# Altium PCB F103ZET6.PcbDoc (part 2 of 3)
Units mil, origin at the board's own origin, x right, y up, seen from the top; angles counter-clockwise.
Board outline 4625 x 2435 mil, 2 copper layers (Top Layer, Bottom Layer); 135 components, 144 nets, 623 pads, 269 vias.
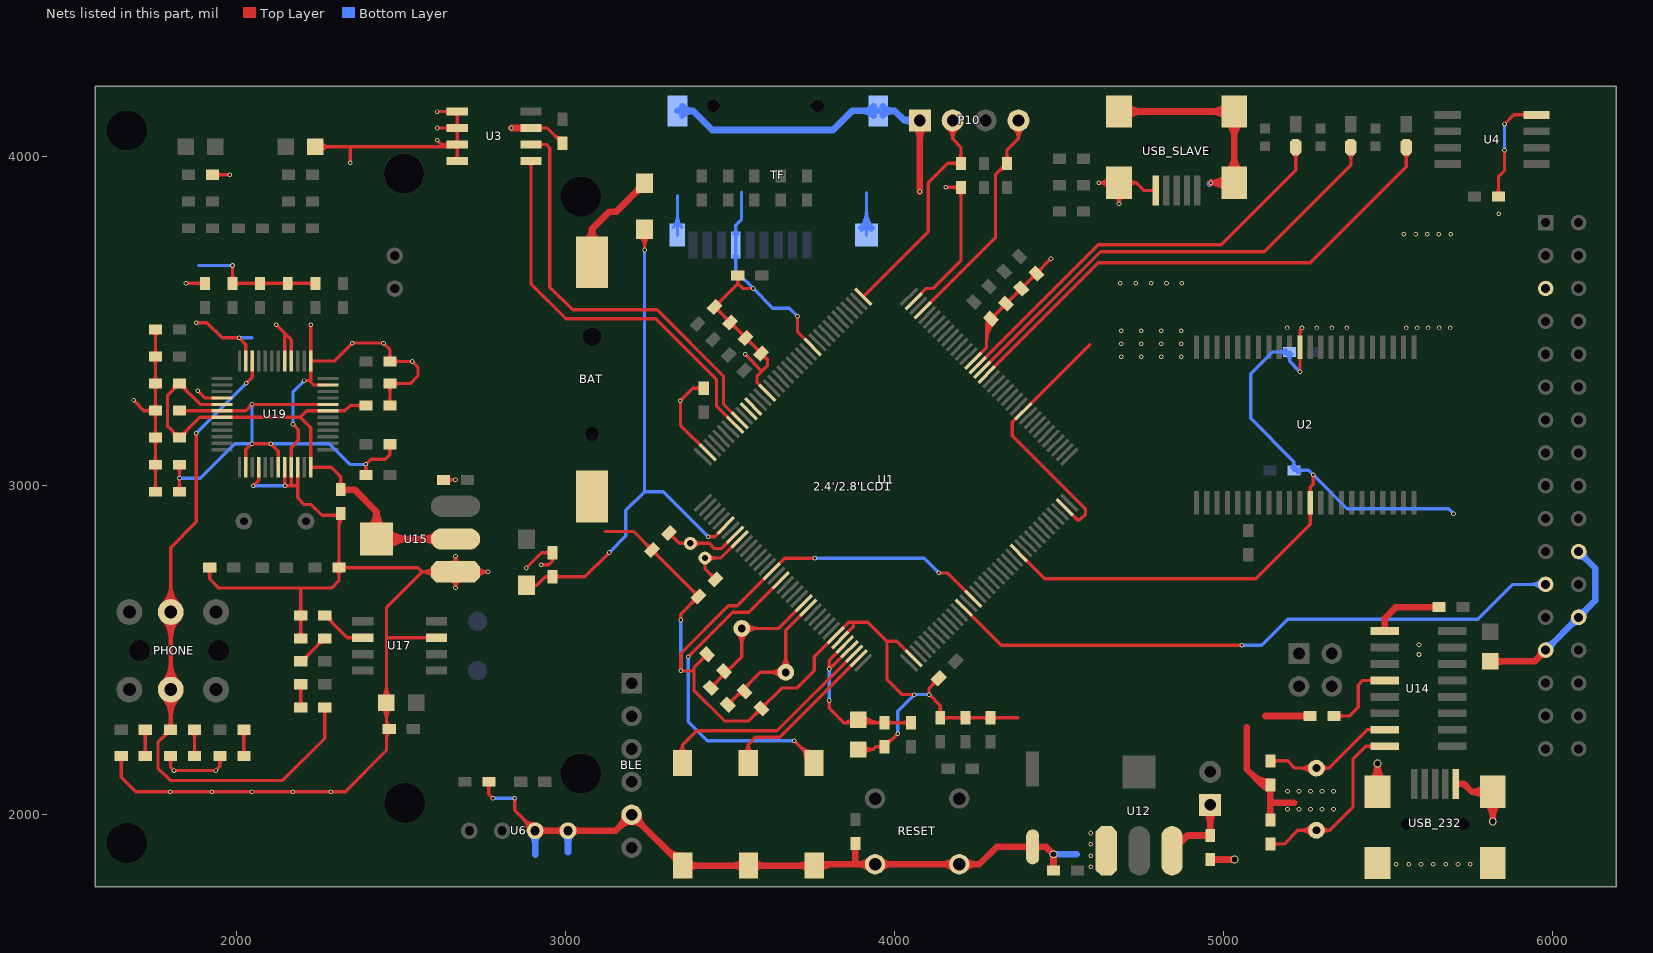
[diagram p2: the nets of this part, all layers, seen from the top]

## Via types
v1: diameter 14, hole 8, Top Layer to Bottom Layer, 262 vias
v2: diameter 24, hole 18, Top Layer to Bottom Layer, 5 vias
v3: diameter 132, hole 122.05, Top Layer to Bottom Layer, 2 vias

## Nets (pads, with @x,y where several pads share a name; then routed paths per layer and width w, separated by ;. In a path a pad name is that pad's centre, name@x,y a point inside that pad or via, vN(x,y) a via of type N, cw(c..) or ccw(c..) an arc to the next point about the centre after c; other vN are vias at no path point) (continued)
GND: 2.4'/2.8'LCD1.22 2.4'/2.8'LCD1.26 2.4'/2.8'LCD1.27 BAT.2 BLE.5 C1.1 C2.1 C3.1 C4.2 C5.1 C6.1 C7.1 C8.1 C9.1 C10.1 C11.1 C12.1 C13.1 C14.1 C15.1 C16.1 C17.1 C18.1 C19.1 C20.1 C21.1 C29.2 C31.2 C35.1 C36.1 C42.1 C43.1 C44.2 C45.1 C50.2 C51.2 C54.2 C55.1 C56.1 C57.2 C60.1 C61.1 C62.1 C65.1 C66.1 C67.1 C72.1 C74.1 C75.1 C76.1 C77.2 C78.2 C79.2 C80.1 C87.1 C88.1 C89.1 C91.1 C92.1 C93.1 C94.2 C103.1 C104.1 KEY0.2 KEY1.2 KEY2.2 P10.1 R11.2 R12.2 R13.2 R53.1 R70.1 R76.2 RESET.2 TF.6 TF.10 TF.11 TF.12 TF.13 U1.16 U1.30 U1.31 U1.38 U1.51 U1.61 U1.71 U1.83 U1.94 U1.107 U1.120 U1.130 U1.143 U2.12 U2.34 U3.1 U3.2 U3.3 U3.4 U3.7 U4.4 U6.3 U6.4 U12.1 U14.1 U15.1 U17.7 U19.4 U19.16 U19.20 U19.21 U19.22 U19.35 U19.37 U19.40 U19.41 U19.47 USB_232.5 USB_SLAVE.5 | length 31750.8
  Top Layer w10: C62.1@1641.43,2170.93 cw(c1624.36,2153.86) 1648.5,2153.86 cw(c1672.64,2153.86) C62.1@1655.57,2170.93 ; C62.1@1648.5,2178 1648.5,2113.5 1692,2070 v1(1798,2070) v1(1924,2070) v1(2046,2070) v1(2170,2070) v1(2286,2070) 2330,2070 2455,2195 C65.1@2455,2340 2455,2629.06 2563.97,2738.03 ; v1(1686,3260) 1717.5,3228.5 C76.1@1752.5,3228.5 ; C76.1@1740.43,3221.43 ccw(c1723.36,3204.36) 1723.36,3228.5 ccw(c1723.36,3252.64) C76.1@1740.43,3235.57 ; C75.1@1745.43,2989.07 ccw(c1728.36,3006.14) 1752.5,3006.14 ccw(c1776.64,3006.14) C75.1@1759.57,2989.07 ; C74.1@1745.43,3057.1 cw(c1728.36,3040.02) 1752.5,3040.02 cw(c1776.64,3040.02) C74.1@1759.57,3057.1 ; C74.1@1745.43,3071.24 ccw(c1728.36,3088.31) 1752.5,3088.31 ccw(c1776.64,3088.31) C74.1@1759.57,3071.24 ; C78.2@1745.43,3139.26 cw(c1728.36,3122.19) 1752.5,3122.19 cw(c1776.64,3122.19) C78.2@1759.57,3139.26 ; C78.2@1745.43,3153.4 ccw(c1728.36,3170.48) 1752.5,3170.48 ccw(c1776.64,3170.48) C78.2@1759.57,3153.4 ; C76.1@1745.43,3221.43 cw(c1728.36,3204.36) 1752.5,3204.36 cw(c1776.64,3204.36) C76.1@1759.57,3221.43 ; C76.1@1745.43,3235.57 ccw(c1728.36,3252.64) 1752.5,3252.64 ccw(c1776.64,3252.64) C76.1@1759.57,3235.57 ; C77.2@1745.43,3303.6 cw(c1728.36,3286.52) 1752.5,3286.52 cw(c1776.64,3286.52) C77.2@1759.57,3303.6 ; C77.2@1745.43,3317.74 ccw(c1728.36,3334.81) 1752.5,3334.81 ccw(c1776.64,3334.81) C77.2@1759.57,3317.74 ; C104.1@1745.43,3385.76 cw(c1728.36,3368.69) 1752.5,3368.69 cw(c1776.64,3368.69) C104.1@1759.57,3385.76 ; C104.1@1745.43,3399.9 ccw(c1728.36,3416.98) 1752.5,3416.98 ccw(c1776.64,3416.98) C104.1@1759.57,3399.9 ; C103.1@1745.43,3467.93 cw(c1728.36,3450.86) 1752.5,3450.86 cw(c1776.64,3450.86) C103.1@1759.57,3467.93 ; C75.1@1752.5,2982 C74.1@1752.5,3064.17 C78.2@1752.5,3146.33 C76.1@1752.5,3228.5 ; C103.1@1752.5,3475 C104.1@1752.5,3392.83 C77.2@1752.5,3310.67 C76.1@1752.5,3228.5 ; C60.1@1791.43,2170.93 cw(c1774.36,2153.86) 1798.5,2153.86 cw(c1822.64,2153.86) C60.1@1805.57,2170.93 ; C60.1@1798.5,2178 1798.5,2144.5 v1(1809,2134) v1(1936,2134) 1948.5,2146.5 C61.1@1948.5,2178 ; v1(1845.5,3615.5) C93.1@1903,3615.5 ; v1(1877,3496) 1909,3496 1955,3450 v1(2007,3450) 2027.58,3429.42 U19.47@2027.58,3379.33 ; v1(1881,3289) 1902.87,3267.13 U19.4@1954.74,3267.13 ; C93.1@1895.93,3608.43 ccw(c1878.86,3591.36) 1878.86,3615.5 ccw(c1878.86,3639.64) C93.1@1895.93,3622.57 ; C88.1@1910.43,2743.93 cw(c1893.36,2726.86) 1917.5,2726.86 cw(c1941.64,2726.86) C88.1@1924.57,2743.93 ; C88.1@1917.5,2751 1917.5,2716.5 1945,2689 2288,2689 2310.5,2711.5 C87.1@2310.5,2751 ; R76.2@1926.5,3946 v1(1978,3946) ; R76.2@1938.35,3938.4 cw(c1956.7,3920.05) 1956.7,3946 cw(c1956.7,3971.95) R76.2@1938.35,3953.6 ; C61.1@1941.43,2170.93 cw(c1924.36,2153.86) 1948.5,2153.86 cw(c1972.64,2153.86) C61.1@1955.57,2170.93 ; C94.2@1979.93,3627.57 ccw(c1962.86,3644.64) 1987,3644.64 ccw(c2011.14,3644.64) C94.2@1994.07,3627.57 ; v1(1987,3670) C94.2@1987,3615.5 C92.1@2071,3615.5 C91.1@2155,3615.5 C42.1@2239,3615.5 ; C94.2@1994.07,3608.43 cw(c2011.14,3591.36) 2011.14,3615.5 cw(c2011.14,3639.64) C94.2@1994.07,3622.57 ; v1(2050,3000) 2066.95,3016.95 U19.16@2066.95,3056.5 ; C92.1@2063.93,3608.43 ccw(c2046.86,3591.36) 2046.86,3615.5 ccw(c2046.86,3639.64) C92.1@2063.93,3622.57 ; C92.1@2078.07,3608.43 cw(c2095.14,3591.36) 2095.14,3615.5 cw(c2095.14,3639.64) C92.1@2078.07,3622.57 ; v1(2120,3490) 2145.69,3464.31 ; v1@2145.69,3000 U19.20@2145.69,3056.5 ; 2145.69,3008 ccw(c2155,3008) v1@2148.41,3001.41 ; U19.41@2145.69,3379.33 2145.69,3464.31 ; v1(2147,3000) 2165.37,3000 ; C91.1@2147.93,3608.43 ccw(c2130.86,3591.36) 2130.86,3615.5 ccw(c2130.86,3639.64) C91.1@2147.93,3622.57 ; C91.1@2162.07,3608.43 cw(c2179.14,3591.36) 2179.14,3615.5 cw(c2179.14,3639.64) C91.1@2162.07,3622.57 ; U19.40@2165.37,3379.33 2165.37,3444.63 2145.69,3464.31 ; v1(2171,3187) 2187,3171 2187,3138 2165.37,3116.37 U19.21@2165.37,3056.5 2165.37,3000 ; 2180,3000 2165.37,3000 ; 2185,2995 2185,2963 2205,2943 2226,2943 2259,2910 2310.5,2910 C87.1@2310.5,2751 ; 2185.06,2994.94 U19.22@2185.06,3056.5 ; C72.1@2187.43,2543.07 ccw(c2170.36,2560.14) 2194.5,2560.14 ccw(c2218.64,2560.14) C72.1@2201.57,2543.07 ; C67.1@2187.43,2598.93 cw(c2170.36,2581.86) 2194.5,2581.86 cw(c2218.64,2581.86) C67.1@2201.57,2598.93 ; C67.1@2187.43,2613.07 ccw(c2170.36,2630.14) 2194.5,2630.14 ccw(c2218.64,2630.14) C67.1@2201.57,2613.07 ; C72.1@2194.5,2536 C67.1@2194.5,2606 2194.5,2688.5 ; v1(2205,3320) 2220,3320 2224.43,3315.57 ; v1(2224.43,3489.57) U19.37@2224.43,3379.33 ; C42.1@2231.93,3608.43 ccw(c2214.86,3591.36) 2214.86,3615.5 ccw(c2214.86,3639.64) C42.1@2231.93,3622.57 ; C89.1@2239,4031 2345,4031 ; C89.1@2253.14,4016.86 cw(c2287.28,3982.72) 2287.28,4031 cw(c2287.28,4079.28) C89.1@2253.14,4045.14 ; U19.35@2277.58,3306.5 2233.5,3306.5 2224.43,3315.57 ; 2290.65,2910 ccw(c2290.65,2935.85) C79.2@2308.93,2917.57 ; 2293.07,2910 cw(c2293.07,2887.57) C79.2@2308.93,2903.43 ; C87.1@2303.43,2743.93 cw(c2286.36,2726.86) 2310.5,2726.86 cw(c2334.64,2726.86) C87.1@2317.57,2743.93 ; C87.1@2303.43,2758.07 ccw(c2286.36,2775.14) 2310.5,2775.14 ccw(c2334.64,2775.14) C87.1@2317.57,2758.07 ; 2310.5,2873.08 cw(c2353.42,2873.08) C79.2@2323.07,2903.43 ; C87.1@2322.57,2743.93 cw(c2339.64,2726.86) 2339.64,2751 cw(c2339.64,2775.14) C87.1@2322.57,2758.07 ; v1(2345,3982) 2345,4031 ; C65.1@2440.86,2325.86 cw(c2406.72,2291.72) 2455,2291.72 cw(c2503.28,2291.72) C65.1@2469.14,2325.86 ; C65.1@2440.86,2354.14 ccw(c2406.72,2388.28) 2455,2388.28 ccw(c2503.28,2388.28) C65.1@2469.14,2354.14 ; C66.1@2451.43,2252.93 cw(c2442.81,2244.31) 2455,2244.31 ; C66.1@2451.43,2267.07 ccw(c2442.81,2275.69) 2455,2275.69 ; 2455,2227.41 cw(c2491.09,2227.41) C66.1@2465.57,2252.93 ; 2455,2292.59 ccw(c2491.09,2292.59) C66.1@2465.57,2267.07 ; 2457,2538 U17.7@2607.41,2538 ; R70.1@2457.9,3303.4 cw(c2439.55,3285.05) 2465.5,3285.05 cw(c2491.45,3285.05) R70.1@2473.1,3303.4 ; R53.1@2457.9,3385.6 ccw(c2439.55,3403.95) 2465.5,3403.95 ccw(c2491.45,3403.95) R53.1@2473.1,3385.6 ; C80.1@2458.43,3251.07 ccw(c2441.36,3268.14) 2465.5,3268.14 ccw(c2489.64,3268.14) C80.1@2472.57,3251.07 ; C80.1@2465.5,3244 R70.1@2465.5,3311 2528,3311 2551,3334 2551,3360 v1(2533,3378) R53.1@2465.5,3378 2465.5,3414.5 v1(2446,3434) v1(2351,3434) 2296.33,3379.33 U19.37@2224.43,3379.33 ; R70.1@2477.35,3303.4 cw(c2495.7,3285.05) 2495.7,3311 cw(c2495.7,3336.95) R70.1@2477.35,3318.6 ; R53.1@2477.35,3370.4 cw(c2495.7,3352.05) 2495.7,3378 cw(c2495.7,3403.95) R53.1@2477.35,3385.6 ; U17.7@2582.11,2532.7 ccw(c2569.3,2519.89) 2569.3,2538 ccw(c2569.3,2556.11) U17.7@2582.11,2543.3 ; U15.1@2601.41,2720.46 ccw(c2563.97,2689.36) 2563.97,2738.03 ; U15.1@2601.41,2755.6 cw(c2563.97,2786.7) 2563.97,2738.03 ; v1(2609,4051) 2622,4038 U3.3@2670,4038 ; v1(2609,4088) U3.2@2670,4088 ; v1(2609,4138) U3.1@2670,4138 U3.2@2670,4088 ; U15.1@2609.1,2726.85 ccw(c2585.28,2707.06) 2585.28,2738.03 ccw(c2585.28,2769) U15.1@2609.1,2749.21 ; 2614.99,4031 ccw(c2614.99,4073.01) 2644.7,4043.3 cw(c2631.89,4056.11) 2631.89,4038 cw(c2631.89,4019.89) U3.3@2644.7,4032.7 ; C54.2@2628.5,3018 v1(2665,3018) ; U3.3@2639.14,4031 ccw(c2639.14,4048.86) U3.3@2651.77,4036.23 ; C54.2@2640.57,3010.93 cw(c2657.64,2993.86) 2657.64,3018 cw(c2657.64,3042.14) C54.2@2640.57,3025.07 ; U3.2@2644.7,4082.7 ccw(c2631.89,4069.89) 2631.89,4088 ccw(c2631.89,4106.11) U3.2@2644.7,4093.3 ; U3.1@2644.7,4132.7 ccw(c2631.89,4119.89) 2631.89,4138 ccw(c2631.89,4156.11) U3.1@2644.7,4143.3 ; U15.1@2651.17,2714.3 cw(c2636.98,2690.07) v1(2665.06,2690.06) ; U15.1@2651.2,2761.78 ccw(c2637.09,2785.93) v1(2665.06,2785.94) ; U3.3@2663,4031 2345,4031 ; U3.4@2664.7,3993.3 ccw(c2651.89,4006.11) 2670,4006.11 ccw(c2688.11,4006.11) U3.4@2675.3,3993.3 ; U3.3@2664.7,4032.7 cw(c2651.89,4019.89) 2670,4019.89 cw(c2688.11,4019.89) U3.3@2675.3,4032.7 ; U3.3@2664.7,4043.3 ccw(c2651.89,4056.11) 2670,4056.11 ccw(c2688.11,4056.11) U3.3@2675.3,4043.3 ; U3.2@2664.7,4082.7 cw(c2651.89,4069.89) 2670,4069.89 cw(c2688.11,4069.89) U3.2@2675.3,4082.7 ; U3.2@2664.7,4093.3 ccw(c2651.89,4106.11) 2670,4106.11 ccw(c2688.11,4106.11) U3.2@2675.3,4093.3 ; U3.1@2664.7,4132.7 cw(c2651.89,4119.89) 2670,4119.89 cw(c2688.11,4119.89) U3.1@2675.3,4132.7 ; U3.4@2670,3988 U3.3@2670,4038 ; U15.1@2678.96,2714.3 ccw(c2693.15,2690.07) v1(2665.06,2690.06) ; U15.1@2678.93,2761.78 cw(c2693.03,2785.93) v1(2665.06,2785.94) ; U15.1@2721.35,2727.25 cw(c2743.46,2709.98) 2743.46,2738.03 cw(c2743.46,2766.09) U15.1@2721.35,2748.81 ; U15.1@2729.23,2721.1 cw(c2763.96,2693.94) v1(2763.97,2738.03) ; U15.1@2729.23,2754.97 ccw(c2763.96,2782.12) v1(2763.97,2738.03) ; C35.1@2759.43,2092.93 cw(c2742.36,2075.86) 2766.5,2075.86 cw(c2790.64,2075.86) C35.1@2773.57,2092.93 ; C35.1@2766.5,2100 2766.5,2062.5 v1(2779,2050) ; v1(2845,2050) 2845,2013 U6.3@2907,1951 ; v1(2880,2750) 2926.5,2796.5 C5.1@2960,2796.5 2960,2771 ; U6.3@2886.41,1951 ccw(c2836.7,1951) 2871.85,1986.15 ccw(c2907,2021.3) U6.3@2907,1971.59 ; U3.7@2894.41,4088 2943.5,4088 C31.2@2990,4041.5 ; U3.7@2919.71,4082.7 cw(c2932.52,4069.89) 2932.52,4088 cw(c2932.52,4106.11) U3.7@2919.71,4093.3 ; v1(2926,2760) 2949,2760 2960,2771 ; C5.1@2952.93,2789.43 ccw(c2935.86,2772.36) 2935.86,2796.5 ccw(c2935.86,2820.64) C5.1@2952.93,2803.57 ; C5.1@2953.84,2783.62 cw(c2943.99,2771) 2960,2771 ; 2964.39,4067.11 ccw(c2990,4092.71) C31.2@2990,4056.5 ; C5.1@2966.16,2783.62 ccw(c2976.01,2771) 2960,2771 ; C31.2@2976.46,4055.04 cw(c2967.93,4046.5) C31.2@2980,4046.5 ; 3120,2861 3206.58,2861 C3.1@3262.47,2805.11 C4.2@3403.9,2663.69 3350,2609.79 v1(3350,2592) ; C3.1@3252.47,2805.11 ccw(c3228.33,2805.11) 3245.4,2822.18 ccw(c3262.47,2839.25) C3.1@3262.47,2815.11 ; C3.1@3262.47,2795.11 cw(c3262.47,2770.97) 3279.55,2788.04 cw(c3296.62,2805.11) C3.1@3272.47,2805.11 ; C4.2@3390.36,2660.15 cw(c3366.22,2660.15) 3383.29,2643.08 cw(c3400.36,2626.01) C4.2@3400.36,2650.15 ; C4.2@3393.9,2663.69 ccw(c3369.75,2663.69) 3386.83,2680.76 ccw(c3403.9,2697.83) C4.2@3403.9,2673.69 ; R11.2@3412.4,3288.9 ccw(c3394.05,3270.55) 3394.05,3296.5 ccw(c3394.05,3322.45) R11.2@3412.4,3304.1 ; R11.2@3420,3296.5 3386.5,3296.5 v1(3349,3259) 3349,3184.53 U1.143@3431.65,3101.88 ; C7.1@3420.46,2487.7 cw(c3396.31,2487.7) 3413.38,2470.63 cw(c3430.46,2453.55) C7.1@3430.46,2477.7 ; C7.1@3430.46,2487.7 3390,2447.24 3390,2437 ; C18.1@3453.18,3534.1 cw(c3453.18,3509.96) 3470.25,3527.03 cw(c3487.32,3544.1) C18.1@3463.18,3544.1 ; C18.1@3456.71,3557.63 ccw(c3456.71,3581.77) 3473.78,3564.7 ccw(c3490.86,3547.63) C18.1@3466.71,3547.63 ; C19.1@3490.32,3496.96 ccw(c3466.18,3496.96) 3483.25,3514.03 ccw(c3500.32,3531.1) C19.1@3500.32,3506.96 ; C19.1@3500.32,3486.96 cw(c3500.32,3462.81) 3517.39,3479.89 cw(c3534.46,3496.96) C19.1@3510.32,3496.96 ; C36.1@3516.43,3632.93 cw(c3499.36,3615.86) 3523.5,3615.86 cw(c3547.64,3615.86) C36.1@3530.57,3632.93 ; C36.1@3523.5,3640 3523.5,3614.42 ; C20.1@3537.46,3449.82 ccw(c3513.32,3449.82) 3530.39,3466.89 ccw(c3547.46,3483.96) C20.1@3547.46,3459.82 ; v1(3546,3400) 3597,3349 ; C20.1@3547.46,3439.82 cw(c3547.46,3415.67) 3564.53,3432.75 cw(c3581.6,3449.82) C20.1@3557.46,3449.82 ; v1(3570,3600) 3537.92,3600 3523.5,3614.42 ; C21.1@3584.6,3402.68 ccw(c3560.46,3402.68) 3577.53,3419.75 ccw(c3594.6,3436.82) C21.1@3594.6,3412.68 ; C6.1@3585.21,2322.94 cw(c3561.07,2322.94) 3578.14,2305.87 cw(c3595.21,2288.8) C6.1@3595.21,2312.94 ; C21.1@3594.6,3392.68 cw(c3594.6,3368.53) 3611.67,3385.6 cw(c3628.74,3402.68) C21.1@3604.6,3402.68 ; C6.1@3595.21,2332.94 ccw(c3595.21,2357.08) 3612.28,2340.01 ccw(c3629.35,2322.94) C6.1@3605.21,2322.94 ; U1.130@3612.6,3282.83 3582,3313.43 3582,3334 3597,3349 ; v1(3705,3515) 3705,3468.82 U1.120@3751.8,3422.02 ; v1(3757,2780) 3666.55,2780 U1.16@3626.52,2739.98 3521.55,2635 3495,2635 3350,2490 v1(3350,2437) 3390,2437 ; U1.31@3835.31,2531.18 3875,2570.87 3875,2585 ; C8.1@3890,2198 3934,2198 ; C8.1@3905.07,2184.85 cw(c3934,2159.6) 3934,2198 ; C8.1@3905.07,2211.15 ccw(c3934,2236.4) 3934,2198 ; C9.1@3962.93,2199.43 ccw(c3945.86,2182.36) 3945.86,2206.5 ccw(c3945.86,2230.64) C9.1@3962.93,2213.57 ; C9.1@3970,2221.5 ccw(c3970,2257.71) 3995.61,2232.11 ; C9.1@3980,2211.5 cw(c3992.07,2211.5) C9.1@3983.54,2220.04 ; v1(4010,2246.5) C9.1@3970,2206.5 3942.5,2206.5 3934,2198 ; U1.38@4058.03,2475.51 4006.53,2527 3977,2527 ; U1.107@4058.03,3561.22 4096.81,3600 4118,3600 4202,3684 R13.2@4202,3907.5 v1(4155.5,3907.5) ; v1(4060,2365) 4023,2365 3977,2411 3977,2527 ; v1@4105,2366 4105,2385 R12.2@4134.19,2414.19 ; v1@4105.5,2365.5 4139.2,2331.8 C15.1@4139.2,2294.5 C16.1@4215.6,2294.5 C17.1@4292,2294.5 4375.5,2294.5 ; R12.2@4120.44,2411.18 cw(c4094.49,2411.18) 4112.84,2392.84 cw(c4131.18,2374.49) R12.2@4131.18,2400.44 ; C15.1@4132.13,2306.57 ccw(c4115.06,2323.64) 4139.2,2323.64 ccw(c4163.34,2323.64) C15.1@4146.27,2306.57 ; v1(4135,2735) 4160.43,2735 U1.51@4238.98,2656.46 ; C15.1@4146.27,2287.43 cw(c4163.34,2270.36) 4163.34,2294.5 cw(c4163.34,2318.64) C15.1@4146.27,2301.57 ; R13.2@4194.4,3895.65 cw(c4176.05,3877.3) 4202,3877.3 cw(c4227.95,3877.3) R13.2@4209.6,3895.65 ; R13.2@4194.4,3899.9 ccw(c4176.05,3881.55) 4176.05,3907.5 ccw(c4176.05,3933.45) R13.2@4194.4,3915.1 ; C16.1@4208.53,2287.43 ccw(c4191.46,2270.36) 4191.46,2294.5 ccw(c4191.46,2318.64) C16.1@4208.53,2301.57 ; C16.1@4222.67,2287.43 cw(c4239.74,2270.36) 4239.74,2294.5 cw(c4239.74,2318.64) C16.1@4222.67,2301.57 ; U1.94@4238.98,3380.27 4280,3421.29 4280,3494.24 ; 4280,3438.69 cw(c4362.9,3438.69) C13.1@4304.28,3497.31 ; 4280,3462.83 cw(c4338.76,3462.83) C13.1@4297.21,3504.38 ; 4280,3486.97 cw(c4314.62,3486.97) C13.1@4290.14,3511.45 ; C13.1@4283.82,3506.23 cw(c4270.31,3503.93) 4280,3494.24 ; C17.1@4284.93,2287.43 ccw(c4267.86,2270.36) 4267.86,2294.5 ccw(c4267.86,2318.64) C17.1@4284.93,2301.57 ; C13.1@4291.99,3498.06 ccw(c4289.69,3484.55) 4280,3494.24 ; C13.1@4293.67,3517.91 ccw(c4293.67,3542.06) 4310.75,3524.98 ccw(c4327.82,3507.91) C13.1@4303.67,3507.91 ; C17.1@4299.07,2287.43 cw(c4316.14,2270.36) 4316.14,2294.5 cw(c4316.14,2318.64) C17.1@4299.07,2301.57 ; C12.1@4329.54,3553.78 cw(c4305.4,3553.78) 4322.47,3536.71 cw(c4339.54,3519.64) C12.1@4339.54,3543.78 ; C12.1@4339.54,3563.78 ccw(c4339.54,3587.92) 4356.61,3570.85 ccw(c4373.68,3553.78) C12.1@4349.54,3553.78 ; C11.1@4375.41,3599.65 cw(c4351.27,3599.65) 4368.34,3582.58 cw(c4385.41,3565.5) C11.1@4385.41,3589.65 ; U1.61@4378.17,2795.65 4456.82,2717 5099,2717 5264.43,2882.43 U2.12@5264.43,2948.65 5264.43,2995.43 5273,3004 v1(5273,3033) ; C11.1@4385.41,3609.65 ccw(c4385.41,3633.79) 4402.48,3616.72 ccw(c4419.55,3599.65) C11.1@4395.41,3599.65 ; C14.1@4421.27,3645.51 cw(c4397.13,3645.51) 4414.2,3628.44 cw(c4431.27,3611.37) C14.1@4431.27,3635.51 ; C14.1@4431.27,3655.51 ccw(c4431.27,3679.66) 4448.34,3662.58 ccw(c4465.42,3645.51) C14.1@4441.27,3645.51 ; v1(4475.76,3690) C14.1@4431.27,3645.51 C11.1@4385.41,3599.65 C13.1@4293.67,3507.91 4280,3494.24 ; U1.71@4517.36,2934.85 4555.21,2897 4564,2897 4581,2914 4581,2929 4358,3152 4358,3193.06 U1.83@4392.09,3227.15 4593.94,3429 ; v1(4621.57,3921.57) USB_SLAVE.5@4682.8,3921.57 ; USB_SLAVE.5@4653.46,3903.68 ccw(c4621.58,3884.23) v1(4621.57,3921.57) ccw(c4621.58,3958.92) USB_SLAVE.5@4653.46,3939.47 ; USB_SLAVE.5@4661.99,3908.88 ccw(c4639.39,3895.1) 4639.39,3921.57 ccw(c4639.39,3948.05) USB_SLAVE.5@4661.99,3934.26 ; USB_SLAVE.5@4667.97,3880.72 cw(c4656.73,3857.2) v1(4682.8,3857.2) ; USB_SLAVE.5@4697.63,3880.72 ccw(c4708.87,3857.2) v1(4682.8,3857.2) ; USB_SLAVE.5@4714.27,3907.76 cw(c4735.42,3898.47) 4735.42,3921.57 cw(c4735.42,3944.68) USB_SLAVE.5@4714.27,3935.39 ; USB_SLAVE.5@4791.58,3894.21 ccw(c4783.32,3885.95) 4783.32,3897.64 ccw(c4783.32,3909.33) USB_SLAVE.5@4791.58,3901.06 ; USB_SLAVE.5@4795.01,3897.64 4759.36,3897.64 4735.43,3921.57 USB_SLAVE.5@4682.8,3921.57 ; v1@5232.94,3347.06 U2.34@5232.94,3421.09 5232.94,3472.94 ; 5232.94,3459.93 cw(c5259.32,3459.93) v1@5240.66,3478.59 ; C29.2@5829.43,3887.07 ccw(c5812.36,3904.14) 5836.5,3904.14 ccw(c5860.64,3904.14) C29.2@5843.57,3887.07 ; C29.2@5836.5,3880 5836.5,3939.5 5855,3958 v1(5855,4020) ; v1(5855,4100) 5883.06,4128.06 U4.4@5952,4128.06 ; U4.4@5919.05,4123.11 ccw(c5907.1,4111.16) 5907.1,4128.06 ccw(c5907.1,4144.96) U4.4@5919.05,4133.01 ; 2224.43,3315.57 U19.37@2224.43,3379.33 ; C87.1@2310.5,2751 2551,2751 2563.97,2738.03 ; 2563.97,2738.03 U15.1@2665.06,2738.03 ; v1(2665.06,2690.06) U15.1@2665.06,2738.03 ; U15.1@2665.06,2738.03 v1(2763.97,2738.03) ; U15.1@2665.06,2738.03 v1(2665.06,2785.94) ; U3.3@2670,4038 U3.2@2670,4088 ; 3390,2437 3390,2378 3483,2285 3557.27,2285 C6.1@3595.21,2322.94 3657.27,2385 3703,2385 3756,2438 3756,2479.71 U1.30@3821.4,2545.1 3861.29,2585 3875,2585 ; 3523.5,3614.42 C18.1@3453.18,3544.1 C19.1@3500.32,3496.96 C20.1@3547.46,3449.82 C21.1@3594.6,3402.68 3614,3383.28 3614,3366 3597,3349 ; 3875,2585 3919,2585 3977,2527 ; v1(4682.8,3857.2) USB_SLAVE.5@4682.8,3921.57
  Top Layer w20: v1(2835,4088) U3.7@2894.41,4088 ; U6.3@2907,1951 U6.4@3007,1951 3151.85,1951 BLE.5@3200.42,1999.58 3355,1845 KEY0.2@3356,1845 KEY1.2@3556,1845 KEY2.2@3756,1845 ; U6.3@2918.02,1939.98 cw(c2944.64,1913.36) 2944.64,1951 cw(c2944.64,1988.64) U6.3@2918.02,1962.02 ; U6.4@2995.98,1939.98 ccw(c2969.36,1913.36) 2969.36,1951 ccw(c2969.36,1988.64) U6.4@2995.98,1962.02 ; U6.4@3018.02,1939.98 cw(c3044.64,1913.36) 3044.64,1951 cw(c3044.64,1988.64) U6.4@3018.02,1962.02 ; BLE.5@3179.42,1999.58 cw(c3128.73,1999.58) 3164.57,1963.73 cw(c3200.42,1927.88) 3200.42,1978.58 cw(c3200.42,1927.88) 3236.27,1963.73 cw(c3272.12,1999.58) BLE.5@3221.42,1999.58 ; 3304.16,1895.85 ccw(c3356,1947.69) KEY0.2@3356,1874.37 ; KEY0.2@3330.33,1869.67 cw(c3315.51,1854.84) KEY0.2@3336.47,1854.84 ; KEY0.2@3369.81,1831.19 cw(c3403.14,1797.86) 3403.14,1845 cw(c3403.14,1892.14) KEY0.2@3369.81,1858.81 ; KEY1.2@3542.19,1831.19 ccw(c3508.86,1797.86) 3508.86,1845 ccw(c3508.86,1892.14) KEY1.2@3542.19,1858.81 ; KEY1.2@3569.81,1831.19 cw(c3603.14,1797.86) 3603.14,1845 cw(c3603.14,1892.14) KEY1.2@3569.81,1858.81 ; KEY2.2@3742.19,1831.19 ccw(c3708.86,1797.86) 3708.86,1845 ccw(c3708.86,1892.14) KEY2.2@3742.19,1858.81 ; KEY2.2@3760,1849 3881,1849 ; KEY2.2@3769.81,1831.19 cw(c3812.8,1788.2) 3812.8,1849 ; KEY2.2@3769.81,1858.81 ccw(c3793.49,1882.49) 3793.49,1849 ; C10.1@3881,1912.5 3881,1849 ; RESET.2@3926.15,1834.15 ccw(c3890.3,1798.3) 3890.3,1849 ccw(c3890.3,1899.7) RESET.2@3926.15,1863.85 ; RESET.2@3955.85,1834.15 cw(c3991.7,1798.3) 3991.7,1849 cw(c3991.7,1899.7) RESET.2@3955.85,1863.85 ; P10.1@4060.41,4094.41 cw(c4020.35,4054.35) 4077,4054.35 cw(c4133.65,4054.35) P10.1@4093.59,4094.41 ; v1(4077,3895) P10.1@4077,4111 ; RESET.2@4182.06,1834.15 ccw(c4146.21,1798.3) 4146.21,1849 ccw(c4146.21,1899.7) RESET.2@4182.06,1863.85 ; RESET.2@4211.76,1834.15 cw(c4247.6,1798.3) 4247.6,1849 cw(c4247.6,1899.7) RESET.2@4211.76,1863.85 ; C44.2@4413.15,1895.04 ccw(c4396.62,1878.51) 4396.62,1901.89 ccw(c4396.62,1925.27) C44.2@4413.15,1908.74 ; C44.2@4426.85,1895.04 cw(c4443.38,1878.51) 4443.38,1901.89 cw(c4443.38,1925.27) C44.2@4426.85,1908.74 ; C43.1@4483.5,1830 v2(4483.5,1879.5) 4461.11,1901.89 C44.2@4420,1901.89 4310.89,1901.89 4258,1849 RESET.2@4196.91,1849 RESET.2@3941,1849 3881,1849 ; USB_SLAVE.5@4682.8,4138.11 USB_SLAVE.5@5033.19,4138.11 USB_SLAVE.5@5033.19,3921.57 v1(4961.57,3921.57) ; USB_SLAVE.5@4703.57,4117.34 cw(c4753.71,4067.2) 4753.71,4138.11 cw(c4753.71,4209.02) USB_SLAVE.5@4703.57,4158.88 ; C45.1@4960,1863.5 v2(5033.5,1863.5) ; USB_SLAVE.5@5012.42,3900.81 ccw(c4962.29,3850.67) 4962.29,3921.57 ccw(c4962.29,3992.48) USB_SLAVE.5@5012.42,3942.34 ; USB_SLAVE.5@5012.42,3952.18 ccw(c4962.29,4002.32) 5033.19,4002.32 ccw(c5104.1,4002.32) USB_SLAVE.5@5053.96,3952.18 ; USB_SLAVE.5@5012.42,4107.5 cw(c4962.29,4057.36) 5033.19,4057.36 cw(c5104.1,4057.36) USB_SLAVE.5@5053.96,4107.5 ; USB_SLAVE.5@5012.42,4117.34 ccw(c4962.29,4067.2) 4962.29,4138.11 ccw(c4962.29,4209.02) USB_SLAVE.5@5012.42,4158.88 ; 5071,2266 5071,2138 5118.5,2090.5 C56.1@5143,2090.5 5143,2036 ; 5085.75,2123.25 ccw(c5140.74,2178.24) C56.1@5142.86,2100.5 ; 5118.62,2090.38 ccw(c5142.49,2114.25) C56.1@5143.41,2080.51 ; 5127,2300 C55.1@5263.5,2300 ; C57.2@5143,1983.5 5143,2036 ; 5216,2036 5143,2036 ; USB_232.5@5448.04,2100.04 ccw(c5397.9,2150.17) 5468.81,2150.17 ccw(c5539.71,2150.17) USB_232.5@5489.58,2100.04 ; USB_232.5@5468.81,2069.43 v2(5468.81,2155.81) ; U14.1@5490.64,2558 5490.64,2596.64 5525,2631 C50.2@5655.5,2631 ; USB_232.5@5706.99,2093.36 5731.64,2093.36 5755.57,2069.43 USB_232.5@5819.2,2069.43 v2(5819.2,1978.8) ; USB_232.5@5796.85,2050.37 ccw(c5755.58,2015.2) 5755.58,2069.43 ccw(c5755.58,2123.65) USB_232.5@5796.85,2088.48 ; USB_232.5@5798.43,2038.82 cw(c5748.29,1988.68) 5819.2,1988.68 cw(c5890.11,1988.68) USB_232.5@5839.97,2038.82 ; C51.2@5812,2466 5946.16,2466 2.4'/2.8'LCD1.27@5980.24,2500.08 ; C51.2@5822.61,2455.39 cw(c5848.21,2429.79) 5848.21,2466 cw(c5848.21,2502.21) C51.2@5822.61,2476.61 ; 2.4'/2.8'LCD1.27@5966.61,2500.08 cw(c5933.73,2500.08) 5956.98,2476.82 cw(c5980.24,2453.57) 2.4'/2.8'LCD1.27@5980.24,2486.46
  Bottom Layer w10: 1884,3670 v1(1987,3670) ; v1(2007,3450) 2046,3450 ; v1(2050,3000) v1(2147,3000) ; v1(2171,3187) 2171,3286 v1(2205,3320) ; v1(2779,2050) v1(2845,2050) ; TF.10@3326.83,3786.59 ccw(c3295.05,3818.38) 3340,3818.38 ccw(c3384.95,3818.38) TF.10@3353.17,3786.59 ; TF.10@3340,3762.05 3340,3883 ; v1(3350,2437) v1(3350,2592) ; TF.6@3510.96,3698.75 cw(c3495.97,3683.77) 3517.17,3683.77 cw(c3538.36,3683.77) TF.6@3523.37,3698.75 ; TF.6@3510.96,3766.29 ccw(c3495.97,3781.27) 3517.17,3781.27 ccw(c3538.36,3781.27) TF.6@3523.37,3766.29 ; 3535,3893 3535,3810 3517.17,3792.17 TF.6@3517.17,3732.52 3517.17,3652.83 v1(3570,3600) 3630,3540 3680,3540 v1(3705,3515) ; v1(3757,2780) 4090,2780 v1(4135,2735) ; TF.13@3893.59,3783.26 ccw(c3842.38,3834.47) 3914.8,3834.47 ccw(c3987.23,3834.47) TF.13@3936.02,3783.26 ; TF.13@3900.66,3776.19 ccw(c3866.52,3810.33) 3914.8,3810.33 ccw(c3963.09,3810.33) TF.13@3928.95,3776.19 ; TF.13@3914.8,3762.05 3914.8,3891.8 ; v1(4010,2246.5) 4010,2315 v1(4060,2365) v1(4105,2365) ; C1.1@5189.43,3399.93 ccw(c5172.36,3382.86) 5172.36,3407 ccw(c5172.36,3431.14) C1.1@5189.43,3414.07 ; C1.1@5194.43,3399.93 cw(c5177.36,3382.86) 5201.5,3382.86 cw(c5225.64,3382.86) C1.1@5208.57,3399.93 ; C2.1@5207.43,3054.07 ccw(c5190.36,3071.14) 5214.5,3071.14 ccw(c5238.64,3071.14) C2.1@5221.57,3054.07 ; C2.1@5226.57,3039.93 cw(c5243.64,3022.86) 5243.64,3047 cw(c5243.64,3071.14) C2.1@5226.57,3054.07 ; v1(5233,3347) 5201.5,3378.5 C1.1@5201.5,3407 5149.95,3407 5083,3340.05 5083,3205 5214.5,3073.5 C2.1@5214.5,3047 5259,3047 v1(5273,3033) 5376,2930 5685,2930 v1(5700,2915) ; v1(5855,4020) v1(5855,4100)
  Bottom Layer w20: U6.3@2895.98,1939.98 cw(c2869.36,1913.36) 2907,1913.36 cw(c2944.64,1913.36) U6.3@2918.02,1939.98 ; 2907,1878 U6.3@2907,1951 ; U6.4@2995.98,1939.98 cw(c2969.36,1913.36) 3007,1913.36 cw(c3044.64,1913.36) U6.4@3018.02,1939.98 ; 3007,1885 U6.4@3007,1951 ; TF.11@3340,4140 3388,4140 ; TF.11@3354.2,4125.92 cw(c3388,4092.41) 3388,4140 ; TF.11@3354.2,4154.08 ccw(c3388,4187.59) 3388,4140 ; TF.12@3936.09,4125.86 ccw(c3901.95,4091.72) 3901.95,4140 ccw(c3901.95,4188.28) TF.12@3936.09,4154.14 ; TF.12@3964.38,4125.86 cw(c3998.52,4091.72) 3998.52,4140 cw(c3998.52,4188.28) TF.12@3964.38,4154.14 ; P10.1@4058.24,4096.9 ccw(c4030,4075.67) 4030,4111 ; P10.1@4058.24,4125.1 cw(c4030,4146.33) 4030,4111 ; P10.1@4077,4111 4030,4111 ; v2(4483.5,1879.5) 4553.5,1879.5 ; v1@4959,3919 v1(4961.57,3921.57) ; 5468.81,2088.81 v2(5468.81,2155.81) ; 2.4'/2.8'LCD1.27@5980.24,2500.08 2.4'/2.8'LCD1.26@6080.24,2600.08 6131,2650.84 6131,2749.31 2.4'/2.8'LCD1.22@6080.24,2800.08 ; 2.4'/2.8'LCD1.27@5980.24,2513.7 ccw(c5980.24,2546.59) 6003.49,2523.33 ccw(c6026.74,2500.08) 2.4'/2.8'LCD1.27@5993.86,2500.08 ; 2.4'/2.8'LCD1.26@6066.61,2600.08 cw(c6033.73,2600.08) 6056.98,2576.82 cw(c6080.24,2553.57) 2.4'/2.8'LCD1.26@6080.24,2586.46 ; 2.4'/2.8'LCD1.26@6080.24,2613.7 ccw(c6080.24,2646.59) 6103.49,2623.33 ccw(c6126.74,2600.08) 2.4'/2.8'LCD1.26@6093.86,2600.08 ; 2.4'/2.8'LCD1.22@6080.24,2786.46 cw(c6080.24,2753.57) 6103.49,2776.82 cw(c6126.74,2800.08) 2.4'/2.8'LCD1.22@6093.86,2800.08 ; 3388,4140 3446,4082 3813,4082 3871,4140 TF.12@3950.24,4140 4001,4140 4030,4111
  other v1: 4597,1841 5526,1849 5563.5,1849 5601,1849 5638.5,1849 5676,1849 5713.5,1849 5751,1849 4597,1875.33 4597,1909.67 4597,1944 5195,2016 5230,2016 5265,2016 5300,2016 5335,2016 5195,2071 5230,2071 5265,2071 5300,2071 5335,2071 5595,2487 5595,2517 4690,3392 4750.67,3392 4811.33,3392 4872,3392 4690,3432 4750.67,3432 4811.33,3432 4872,3432 4690,3472 4750.67,3472 4811.33,3472 4872,3472 5194,3480 5239.25,3480 5284.5,3480 5329.75,3480 5375,3480 5556,3480 5589.5,3480 5623,3480 5656.5,3480 5690,3480 4687,3616 4733.75,3616 4780.5,3616 4827.25,3616 4874,3616 5549,3765 5584.5,3765 5620,3765 5655.5,3765 5691,3765 5837,3827
IIC_SCL: U1.136 U3.6 | length 1307.9
  Top Layer w10: U3.6@2894.41,4038 2941,4038 2952,4027 2952,3604 3021,3535 3278,3535 3480,3333 3480,3248.4 U1.136@3529.09,3199.31 ; U3.6@2919.71,4032.7 cw(c2932.52,4019.89) 2932.52,4038 cw(c2932.52,4056.11) U3.6@2919.71,4043.3
IIC_SDA: U1.137 U3.5 | length 1248.1
  Top Layer w10: U3.5@2889.11,3982.7 cw(c2876.3,3969.89) 2894.41,3969.89 cw(c2912.52,3969.89) U3.5@2899.71,3982.7 ; U3.5@2894.41,3988 2894.41,3614.59 3001,3508 3274,3508 3459,3323 3459,3241.57 U1.137@3515.17,3185.4
IOVDD: C74.2 C75.2 C76.2 R67.1 R68.2 U19.6 U19.14 U19.19 U19.32 | length 1834.5
  Top Layer w10: C75.2@1818.43,2989.07 ccw(c1801.36,3006.14) 1825.5,3006.14 ccw(c1849.64,3006.14) C75.2@1832.57,2989.07 ; C74.2@1818.43,3057.1 cw(c1801.36,3040.02) 1825.5,3040.02 cw(c1849.64,3040.02) C74.2@1832.57,3057.1 ; C75.2@1825.5,2982 v1(1825.5,3023) C74.2@1825.5,3064.17 ; C76.2@1826.24,3227.76 U19.6@1954.74,3227.76 2026.76,3227.76 2046.44,3247.44 U19.32@2277.58,3247.44 ; C76.2@1837.57,3221.43 cw(c1852.85,3206.15) 1852.85,3227.76 ; C76.2@1837.57,3235.57 ccw(c1856.44,3254.44) 1856.44,3227.76 ; U19.14@2027.58,3056.5 2027.58,3109.58 v1(2046,3128) v1(2103,3128) ; U19.19@2126,3056.5 2126,3105 ; R67.1@2384.9,3040.6 ccw(c2366.55,3058.95) 2392.5,3058.95 ccw(c2418.45,3058.95) R67.1@2400.1,3040.6 ; R67.1@2392.5,3033 2392.5,3065.5 2408,3081 2452,3081 2465.5,3094.5 R68.2@2465.5,3126.33 ; R68.2@2457.9,3118.73 cw(c2439.55,3100.39) 2465.5,3100.39 cw(c2491.45,3100.39) R68.2@2473.1,3118.73 ; v1(2103,3128) 2126,3105 ; v1(2103,3128) 2126,3105
  Bottom Layer w10: v1(1825.5,3023) 1889,3023 1994,3128 v1(2046,3128) v1(2046,3247.44) ; v1(2103,3128) 2281,3128 2344,3065 v1(2392,3065)
JTCK: P10.2 R13.1 U1.109 | length 900.6
  Top Layer w10: U1.109@3904.91,3575.14 4103,3773.23 4103,3921 4162.5,3980.5 R13.1@4202,3980.5 4202,4030 4177,4055 ; P10.2@4160.22,4088 cw(c4136.15,4055) 4177,4055 ; P10.2@4166.12,4096.08 cw(c4150.5,4074.68) 4177,4074.68 cw(c4203.5,4074.68) P10.2@4187.88,4096.08 ; P10.2@4177,4111 4177,4055 ; P10.2@4193.78,4088 ccw(c4217.85,4055) 4177,4055 ; R13.1@4194.4,3972.9 ccw(c4176.05,3954.55) 4176.05,3980.5 ccw(c4176.05,4006.45) R13.1@4194.4,3988.1 ; R13.1@4194.4,3992.35 ccw(c4176.05,4010.7) 4202,4010.7 ccw(c4227.95,4010.7) R13.1@4209.6,3992.35
JTDO: U1.133
JTMS: P10.4 R6.1 U1.105 | length 906.4
  Top Layer w10: U1.105@4085.87,3533.38 4307,3754.52 4307,3945.5 R6.1@4342,3980.5 4342,4020 4377,4055 ; 4316.39,3954.89 cw(c4342,3929.29) R6.1@4342,3965.5 ; R6.1@4326.66,3965.16 ccw(c4315.57,3976.25) R6.1@4331.25,3976.25 ; R6.1@4334.4,3992.35 ccw(c4316.05,4010.7) 4342,4010.7 ccw(c4367.95,4010.7) R6.1@4349.6,3992.35 ; P10.4@4360.22,4088 cw(c4336.15,4055) 4377,4055 ; P10.4@4366.12,4096.08 cw(c4350.5,4074.68) 4377,4074.68 cw(c4403.5,4074.68) P10.4@4387.88,4096.08 ; P10.4@4377,4111 4377,4055 ; P10.4@4393.78,4088 ccw(c4417.85,4055) 4377,4055
JTRST: U1.134
KEY0: KEY0.1 U1.34 | length 746.5
  Top Layer w10: KEY0.1@3342.29,2188.01 ccw(c3327.91,2211.21) 3355.21,2211.21 ; KEY0.1@3355.21,2157.31 3355.21,2211.21 ; KEY0.1@3368.13,2188.01 cw(c3382.52,2211.21) 3355.21,2211.21 ; U1.34@3877.07,2489.43 3642.65,2255 3399,2255 3355.21,2211.21
KEY1: KEY1.1 U1.35 | length 561
  Top Layer w10: KEY1.1@3541.53,2187.51 ccw(c3524.24,2213.21) 3555.21,2213.21 ; KEY1.1@3555.21,2157.31 3555.21,2213.21 ; KEY1.1@3568.9,2187.51 cw(c3586.19,2213.21) 3555.21,2213.21 ; U1.35@3890.99,2475.51 3650.48,2235 3577,2235 3555.21,2213.21
KEY2: KEY2.1 U1.18 | length 1161.3
  Top Layer w10: v1(3373,2480) 3508,2615 3557.23,2615 U1.18@3654.36,2712.14 ; v1(3695,2225) 3755.21,2164.79 KEY2.1@3755.21,2157.31 ; 3709.3,2210.7 ccw(c3755.21,2256.62) KEY2.1@3755.21,2191.68 ; 3715.02,2204.98 cw(c3677.2,2167.16) KEY2.1@3730.69,2167.16 ; KEY2.1@3726.37,2193.63 ccw(c3755.21,2222.48) KEY2.1@3755.21,2181.68 ; KEY2.1@3732.09,2187.91 cw(c3711.34,2167.16) KEY2.1@3740.69,2167.16
  Bottom Layer w10: v1(3373,2480) 3373,2283 3431,2225 v1(3695,2225)
LCD_BL: 2.4'/2.8'LCD1.23 U1.49 | length 1963.4
  Top Layer w10: U1.49@4211.14,2628.62 4324.76,2515 v1(5056,2515)
  Bottom Layer w10: v1(5056,2515) 5117,2515 5196,2594 5774,2594 5880.08,2700.08 2.4'/2.8'LCD1.23@5980.24,2700.08 ; 2.4'/2.8'LCD1.23@5967.07,2686.91 ccw(c5935.28,2655.12) 5935.28,2700.08 ccw(c5935.28,2745.04) 2.4'/2.8'LCD1.23@5967.07,2713.25
LCD_RESET: 2.4'/2.8'LCD1.5
LED1: DS1.2 U1.91 | length 1644.3
  Top Layer w10: U1.91@4280.74,3338.51 4620.23,3678 5264,3678 5556.2,3970.2 DS1.2@5556.2,4030 ; DS1.2@5547.36,4013.66 cw(c5526.02,3992.32) 5556.2,3992.32 cw(c5586.38,3992.32) DS1.2@5565.04,4013.66
LED2: DS2.2 U1.92 | length 1481.5
  Top Layer w10: U1.92@4266.82,3352.43 4626.39,3712 5125,3712 5388.12,3975.12 DS2.2@5388.12,4030 ; DS2.2@5379.28,4013.66 cw(c5357.94,3992.32) 5388.12,3992.32 cw(c5418.3,3992.32) DS2.2@5396.96,4013.66
LED3: DS3.2 U1.93 | length 1330.4
  Top Layer w10: U1.93@4252.9,3366.35 4619.55,3733 4993,3733 5220.04,3960.04 DS3.2@5220.04,4030 ; DS3.2@5211.2,4013.66 cw(c5189.86,3992.32) 5220.04,3992.32 cw(c5250.21,3992.32) DS3.2@5228.87,4013.66
NetBAT_1: BAT.1 D2.1 | length 469.1
  Top Layer w20: BAT.1@3058.93,3742.6 ccw(c3034.48,3781) 3080,3781 ; BAT.1@3080,3680 3080,3781 ; BAT.1@3101.07,3742.6 cw(c3125.52,3781) 3080,3781 ; 3206.66,3886.66 cw(c3240,3853.33) D2.1@3240,3900.47 ; D2.1@3216.17,3896.17 ccw(c3196.28,3916.06) D2.1@3224.41,3916.06 ; D2.1@3240,3920 3153,3833 3132,3833 3080,3781
NetC3_2: C3.2 U1.8 Y2.1 | length 332
  Top Layer w10: C3.2@3314.09,2846.73 cw(c3314.09,2822.59) 3331.16,2839.66 cw(c3348.24,2856.73) C3.2@3324.09,2856.73 ; C3.2@3314.09,2856.73 3345.92,2824.91 Y2.1@3379.15,2824.91 3436.09,2824.91 3452,2809 3472.84,2809 U1.8@3515.17,2851.33 ; Y2.1@3389.53,2814.52 cw(c3414.6,2789.45) 3414.6,2824.91 cw(c3414.6,2860.36) Y2.1@3389.53,2835.29
NetC4_1: C4.1 U1.9 Y2.2 | length 300.9
  Top Layer w10: Y2.2@3434.08,2769.98 cw(c3459.15,2744.91) 3459.15,2780.36 cw(c3459.15,2815.82) Y2.2@3434.08,2790.75 ; C4.1@3445.51,2715.31 ccw(c3421.37,2715.31) 3438.44,2732.38 ccw(c3455.51,2749.45) C4.1@3455.51,2725.31 ; C4.1@3455.51,2715.31 3423.69,2747.13 Y2.2@3423.69,2780.36 3472.04,2780.36 U1.9@3529.09,2837.41
NetC5_2: C5.2 D1.2 D2.2 U1.6 | length 1816.5
  Top Layer w10: D1.2@2881,2697 2912,2697 ; D1.2@2899.98,2689.02 cw(c2912,2683.96) 2912,2697 ; D1.2@2899.98,2704.98 ccw(c2912,2710.04) 2912,2697 ; C5.2@2952.35,2717.06 ccw(c2938.5,2705.39) 2938.5,2723.5 ; C5.2@2952.35,2729.94 cw(c2938.5,2741.61) 2938.5,2723.5 ; C5.2@2967.07,2716.43 cw(c2984.14,2699.36) 2984.14,2723.5 cw(c2984.14,2747.64) C5.2@2967.07,2730.57 ; v1(3132,2797) 3058.5,2723.5 C5.2@2960,2723.5 2938.5,2723.5 ; D2.2@3225.44,3761.5 cw(c3190.29,3726.35) 3240,3726.35 cw(c3289.71,3726.35) D2.2@3254.56,3761.5 ; v1(3240,3717) D2.2@3240,3780 ; v1(3434,2845) 3453.16,2845 U1.6@3487.33,2879.17 ; 2912,2697 2938.5,2723.5
  Bottom Layer w10: v1(3132,2797) 3183,2848 3183,2925 3240,2982 ; v1(3240,3717) 3240,2982 ; v1(3434,2845) 3297,2982 3240,2982
NetC6_2: C6.2 R2.1 U1.24 Y1.1 | length 715
  Top Layer w10: R2.1@3492.68,2333.55 3591.68,2432.55 Y1.1@3669.45,2432.55 3669.45,2560.19 U1.24@3737.88,2628.62 ; R2.1@3492.68,2344.3 ccw(c3492.68,2370.24) 3511.03,2351.9 ccw(c3529.38,2333.55) R2.1@3503.43,2333.55 ; 3518.16,2359.02 cw(c3540.06,2337.12) C6.2@3540.06,2368.1 ; 3524.99,2365.85 ccw(c3512.74,2378.1) C6.2@3530.06,2378.1 ; C6.2@3540.06,2388.1 ccw(c3540.06,2405.41) 3552.3,2393.17 ; C6.2@3550.06,2378.1 cw(c3581.03,2378.1) 3559.13,2399.99 ; Y1.1@3654.89,2417.99 ccw(c3619.74,2382.84) 3619.74,2432.55 ccw(c3619.74,2482.26) 3654.89,2447.11 ccw(c3619.74,2482.26) 3669.45,2482.26 ccw(c3719.16,2482.26) Y1.1@3684.01,2447.11
NetC7_2: C7.2 R2.2 U1.23 Y1.2 | length 712.8
  Top Layer w10: R2.2@3441.06,2385.17 3535.82,2479.93 Y1.2@3535.82,2566.18 3647.6,2566.18 U1.23@3723.96,2642.54 ; R2.2@3441.06,2395.91 ccw(c3441.06,2421.86) 3459.41,2403.51 ccw(c3477.76,2385.17) R2.2@3451.81,2385.17 ; 3466.54,2410.64 ccw(c3444.64,2432.54) C7.2@3475.61,2432.54 ; 3473.37,2417.47 cw(c3485.61,2405.23) C7.2@3485.61,2422.54 ; C7.2@3485.61,2442.54 ccw(c3485.61,2473.51) 3507.51,2451.61 ; C7.2@3495.61,2432.54 cw(c3512.92,2432.54) 3500.68,2444.79 ; Y1.2@3521.26,2551.62 cw(c3486.11,2516.47) 3535.82,2516.47 cw(c3585.53,2516.47) 3550.38,2551.62 cw(c3585.53,2516.47) 3585.53,2566.18 cw(c3585.53,2615.89) Y1.2@3550.38,2580.74
NetC8_2: C8.2 C9.2 R4.1 U1.32 U1.33 | length 872.4
  Top Layer w10: v1(3802,2347) 3802,2323 3845.5,2279.5 ; v1(3802,2443) 3802,2470.03 U1.32@3849.23,2517.26 ; v1@3802.81,2443 U1.33@3863.15,2503.35 ; 3861.12,2279.5 ccw(c3861.12,2301.3) C8.2@3880.92,2292.18 ; 3862.24,2279.5 cw(c3862.24,2260.24) C8.2@3875.86,2273.86 ; C8.2@3871.83,2296.36 cw(c3845.5,2308.49) 3845.5,2279.5 ; C8.2@3897.07,2295.07 ccw(c3934.66,2332.66) 3934.66,2279.5 ; C8.2@3904.14,2273.86 cw(c3917.76,2260.24) 3917.76,2279.5 ; C8.2@3904.14,2302.14 ccw(c3958.81,2356.81) C9.2@3958.81,2279.5 ; C9.2@3962.93,2272.43 ccw(c3945.86,2255.36) 3945.86,2279.5 ccw(c3945.86,2303.64) C9.2@3962.93,2286.57 ; C9.2@3977.07,2272.43 cw(c3994.14,2255.36) 3994.14,2279.5 cw(c3994.14,2303.64) C9.2@3977.07,2286.57 ; R4.1@4042.4,2271.9 ccw(c4024.05,2253.55) 4024.05,2279.5 ccw(c4024.05,2305.45) R4.1@4042.4,2287.1 ; R4.1@4050,2279.5 C9.2@3970,2279.5 3845.5,2279.5
  Bottom Layer w10: v1(3802,2347) v1(3802,2443)
NetC45_2: C45.2 P1.1 U12.3 | length 317.7
  Top Layer w20: U12.3@4844.03,1889.94 4890.6,1936.5 C45.2@4960,1936.5 P1.1@4960,2030 ; P1.1@4943.41,2013.41 cw(c4903.35,1973.35) 4960,1973.35 cw(c5016.65,1973.35) P1.1@4976.59,2013.41
NetC55_2: C55.2 U14.4 | length 302.5
  Top Layer w10: C55.2@5336.5,2300 5384,2300 5410,2326 5410,2394 5424,2408 U14.4@5490.64,2408 ; C55.2@5348.57,2292.93 cw(c5365.64,2275.86) 5365.64,2300 cw(c5365.64,2324.14) C55.2@5348.57,2307.07 ; U14.4@5454.33,2403.18 ccw(c5442.7,2391.56) 5442.7,2408 ccw(c5442.7,2424.44) U14.4@5454.33,2412.82
NetC56_2: C56.2 U14.7 Y3.1 | length 594.7
  Top Layer w10: C56.2@5143,2163.5 5195.5,2163.5 5217.51,2141.49 Y3.1@5283,2141.49 5320.49,2141.49 ; C56.2@5150.07,2156.43 cw(c5167.14,2139.36) 5167.14,2163.5 cw(c5167.14,2187.64) C56.2@5150.07,2170.57 ; Y3.1@5268.44,2126.93 ccw(c5233.29,2091.78) 5233.29,2141.49 ccw(c5233.29,2191.2) Y3.1@5268.44,2156.05 ; Y3.1@5300.38,2130.44 cw(c5320.49,2117.66) 5320.49,2141.49 ; Y3.1@5300.38,2152.53 ccw(c5320.49,2165.32) 5320.49,2141.49 ; U14.7@5454.33,2253.18 ccw(c5442.7,2241.56) 5442.7,2258 ccw(c5442.7,2274.44) U14.7@5454.33,2262.82 ; U14.7@5490.64,2258 5437,2258 5320.49,2141.49
NetC57_1: C57.1 U14.8 Y3.2 | length 753.8
  Top Layer w10: C57.1@5143,1910.5 5184.5,1910.5 5226.51,1952.51 Y3.2@5283,1952.51 5323.51,1952.51 ; C57.1@5150.07,1903.43 cw(c5167.14,1886.36) 5167.14,1910.5 cw(c5167.14,1934.64) C57.1@5150.07,1917.57 ; Y3.2@5268.44,1937.95 ccw(c5233.29,1902.8) 5233.29,1952.51 ccw(c5233.29,2002.22) Y3.2@5268.44,1967.07 ; Y3.2@5299.63,1940.38 cw(c5323.51,1922.96) 5323.51,1952.51 ; Y3.2@5299.63,1964.65 ccw(c5323.51,1982.07) 5323.51,1952.51 ; U14.8@5454.33,2203.18 ccw(c5442.7,2191.56) 5442.7,2208 ccw(c5442.7,2224.44) U14.8@5454.33,2212.82 ; U14.8@5490.64,2208 5433,2208 5394,2169 5394,2023 5323.51,1952.51
NetC60_2: C60.2 R50.1 | length 158.7
  Top Layer w10: R50.1@1863.9,2250.4 cw(c1845.55,2232.05) 1871.5,2232.05 cw(c1897.45,2232.05) R50.1@1879.1,2250.4 ; C60.2@1864.43,2185.07 ccw(c1847.36,2202.14) 1871.5,2202.14 ccw(c1895.64,2202.14) C60.2@1878.57,2185.07 ; C60.2@1871.5,2178 R50.1@1871.5,2258
NetC61_2: C61.2 R51.1 | length 158.7
  Top Layer w10: R51.1@2013.9,2250.4 cw(c1995.55,2232.05) 2021.5,2232.05 cw(c2047.45,2232.05) R51.1@2029.1,2250.4 ; C61.2@2014.43,2185.07 ccw(c1997.36,2202.14) 2021.5,2202.14 ccw(c2045.64,2202.14) C61.2@2028.57,2185.07 ; C61.2@2021.5,2178 R51.1@2021.5,2258
NetC62_2: C62.2 R52.1 | length 158.7
  Top Layer w10: R52.1@1713.9,2250.4 cw(c1695.55,2232.05) 1721.5,2232.05 cw(c1747.45,2232.05) R52.1@1729.1,2250.4 ; C62.2@1714.43,2185.07 ccw(c1697.36,2202.14) 1721.5,2202.14 ccw(c1745.64,2202.14) C62.2@1728.57,2185.07 ; C62.2@1721.5,2178 R52.1@1721.5,2258
NetC67_2: C67.2 U17.2 | length 210
  Top Layer w10: C67.2@2267.5,2606 2335.5,2538 U17.2@2383,2538 ; C67.2@2272.5,2596 cw(c2272.5,2583.93) C67.2@2281.04,2592.46 ; C67.2@2282.5,2606 ccw(c2318.71,2606) 2293.11,2580.39 ; U17.2@2357.7,2532.7 ccw(c2344.89,2519.89) 2344.89,2538 ccw(c2344.89,2556.11) U17.2@2357.7,2543.3
NetC72_2: C72.2 R58.1 | length 180.7
  Top Layer w10: R58.1@2194.5,2466 2197.5,2466 C72.2@2267.5,2536 ; R58.1@2198.75,2476.75 ccw(c2198.75,2499.67) 2214.96,2483.46 ; R58.1@2209.5,2466 cw(c2238.47,2466) 2217.99,2486.49 ; 2241.89,2510.39 ccw(c2216.29,2536) C72.2@2252.5,2536 ; C72.2@2253.96,2522.46 cw(c2262.5,2513.93) C72.2@2262.5,2526
NetC73_1: C73.1 PHONE.2 R50.2 U19.46 | length 2913.8
  Top Layer w10: 1772.89,2232.39 ccw(c1747.29,2258) R50.2@1783.5,2258 ; PHONE.2@1774.79,2640.41 ccw(c1716.12,2699.09) 1799.09,2699.09 ccw(c1882.07,2699.09) PHONE.2@1823.4,2640.41 ; PHONE.2@1781.86,2633.34 ccw(c1740.26,2674.94) 1799.09,2674.94 ccw(c1857.93,2674.94) PHONE.2@1816.33,2633.34 ; R50.2@1783.16,2242.66 cw(c1794.25,2231.57) R50.2@1794.25,2247.25 ; R50.2@1798.5,2258 1760,2219.5 1760,2141 1797,2104 2140,2104 2267.5,2231.5 C73.1@2267.5,2326 ; PHONE.2@1799.09,2616.11 1799.09,2812.09 1877,2890 v1(1877,3160) ; v1(2029,3312) 2047.26,3330.26 U19.46@2047.26,3379.33 ; C73.1@2260.43,2318.93 cw(c2243.36,2301.86) 2267.5,2301.86 cw(c2291.64,2301.86) C73.1@2274.57,2318.93
  Top Layer w15: PHONE.2@1776.56,2357.35 cw(c1722.15,2302.95) 1799.09,2302.95 cw(c1876.04,2302.95) PHONE.2@1821.63,2357.35 ; PHONE.2@1776.56,2402.43 ccw(c1722.15,2456.83) 1799.09,2456.83 ccw(c1876.04,2456.83) PHONE.2@1821.63,2402.43 ; PHONE.2@1776.56,2593.57 cw(c1722.15,2539.17) 1799.09,2539.17 cw(c1876.04,2539.17) PHONE.2@1821.63,2593.57 ; PHONE.2@1787.17,2367.96 cw(c1758.37,2339.16) 1799.09,2339.16 cw(c1839.82,2339.16) PHONE.2@1811.02,2367.96 ; PHONE.2@1787.17,2391.82 ccw(c1758.37,2420.62) 1799.09,2420.62 ccw(c1839.82,2420.62) PHONE.2@1811.02,2391.82 ; PHONE.2@1787.17,2604.18 cw(c1758.37,2575.38) 1799.09,2575.38 cw(c1839.82,2575.38) PHONE.2@1811.02,2604.18 ; R50.2@1792.67,2263.83 ccw(c1777.15,2279.35) 1799.09,2279.35 ; R50.2@1799.09,2258.59 PHONE.2@1799.09,2379.89 PHONE.2@1799.09,2616.11 ; 1799.09,2276.48 ccw(c1816.98,2276.48) R50.2@1804.33,2263.83
  Bottom Layer w10: v1(1877,3160) v1(2029,3312)
NetC73_2: C73.2 R61.1 | length 148.7
  Top Layer w10: R61.1@2186.9,2388.4 cw(c2168.55,2370.05) 2194.5,2370.05 cw(c2220.45,2370.05) R61.1@2202.1,2388.4 ; C73.2@2187.43,2333.07 ccw(c2170.36,2350.14) 2194.5,2350.14 ccw(c2218.64,2350.14) C73.2@2201.57,2333.07 ; C73.2@2194.5,2326 R61.1@2194.5,2396
NetC77_1: C77.1 C78.1 C79.1 C80.2 U15.2 U15.4 U19.5 U19.7 U19.24 U19.31 | length 2307.9
  Top Layer w10: 1799.89,3171.94 cw(c1774.29,3146.33) C78.1@1810.5,3146.33 ; 1799.89,3285.06 ccw(c1774.29,3310.67) C77.1@1810.5,3310.67 ; C78.1@1811.96,3159.87 ccw(c1820.5,3168.4) C78.1@1820.5,3156.33 ; C77.1@1811.96,3297.13 cw(c1820.5,3288.6) C77.1@1820.5,3300.67 ; C78.1@1830.5,3156.33 ccw(c1830.5,3168.4) C78.1@1839.04,3159.87 ; C77.1@1830.5,3300.67 cw(c1830.5,3288.6) C77.1@1839.04,3297.13 ; C78.1@1840.5,3146.33 cw(c1876.71,3146.33) 1851.11,3171.94 ; C77.1@1840.5,3310.67 ccw(c1876.71,3310.67) 1851.11,3285.06 ; U19.5@1954.74,3247.44 1888.72,3247.44 C77.1@1825.5,3310.67 1789,3274.17 1789,3182.83 C78.1@1825.5,3146.33 1887.24,3208.07 U19.7@1954.74,3208.07 2193.07,3208.07 ; C79.1@2308.93,3000.57 ccw(c2291.86,3017.64) 2316,3017.64 ccw(c2340.14,3017.64) C79.1@2323.07,3000.57 ; C79.1@2316,2988.5 2316,3028 2287.5,3056.5 U19.24@2224.43,3056.5 2224.43,3176.72 2193.07,3208.07 ; C80.2@2380.43,3236.93 ccw(c2363.36,3219.86) 2363.36,3244 ccw(c2363.36,3268.14) C80.2@2380.43,3251.07 ; C80.2@2392.5,3244 2345,3244 2328.76,3227.76 U19.31@2277.58,3227.76 2212.76,3227.76 2193.07,3208.07
  Top Layer w20: C79.1@2316,2988.5 2357.5,2988.5 2425.06,2920.94 ; U15.4@2400.17,2869.34 ccw(c2359.15,2920.93) 2425.06,2920.93 ; U15.4@2449.95,2869.34 cw(c2490.97,2920.93) 2425.06,2920.93 ; U15.4@2453.35,2809.75 cw(c2521.63,2741.46) 2521.63,2838.03 cw(c2521.63,2934.6) U15.4@2453.35,2866.32 ; U15.2@2606.65,2822.12 ccw(c2568.24,2783.71) 2568.24,2838.03 ccw(c2568.24,2892.35) U15.2@2606.65,2853.94 ; U15.2@2665.06,2838.03 U15.4@2425.06,2838.03 2425.06,2920.94